# KiCad board 60rtho_2.kicad_pcb
title: PyKey60 RP2040; date: 2021-11-21; rev: 1.1; company: Pierre Constantineau (JPConstantineau); note: License: CERN-OHL-W (CERN OHL v2); note: Project: https://github.com/jpconstantineau/PyKey60
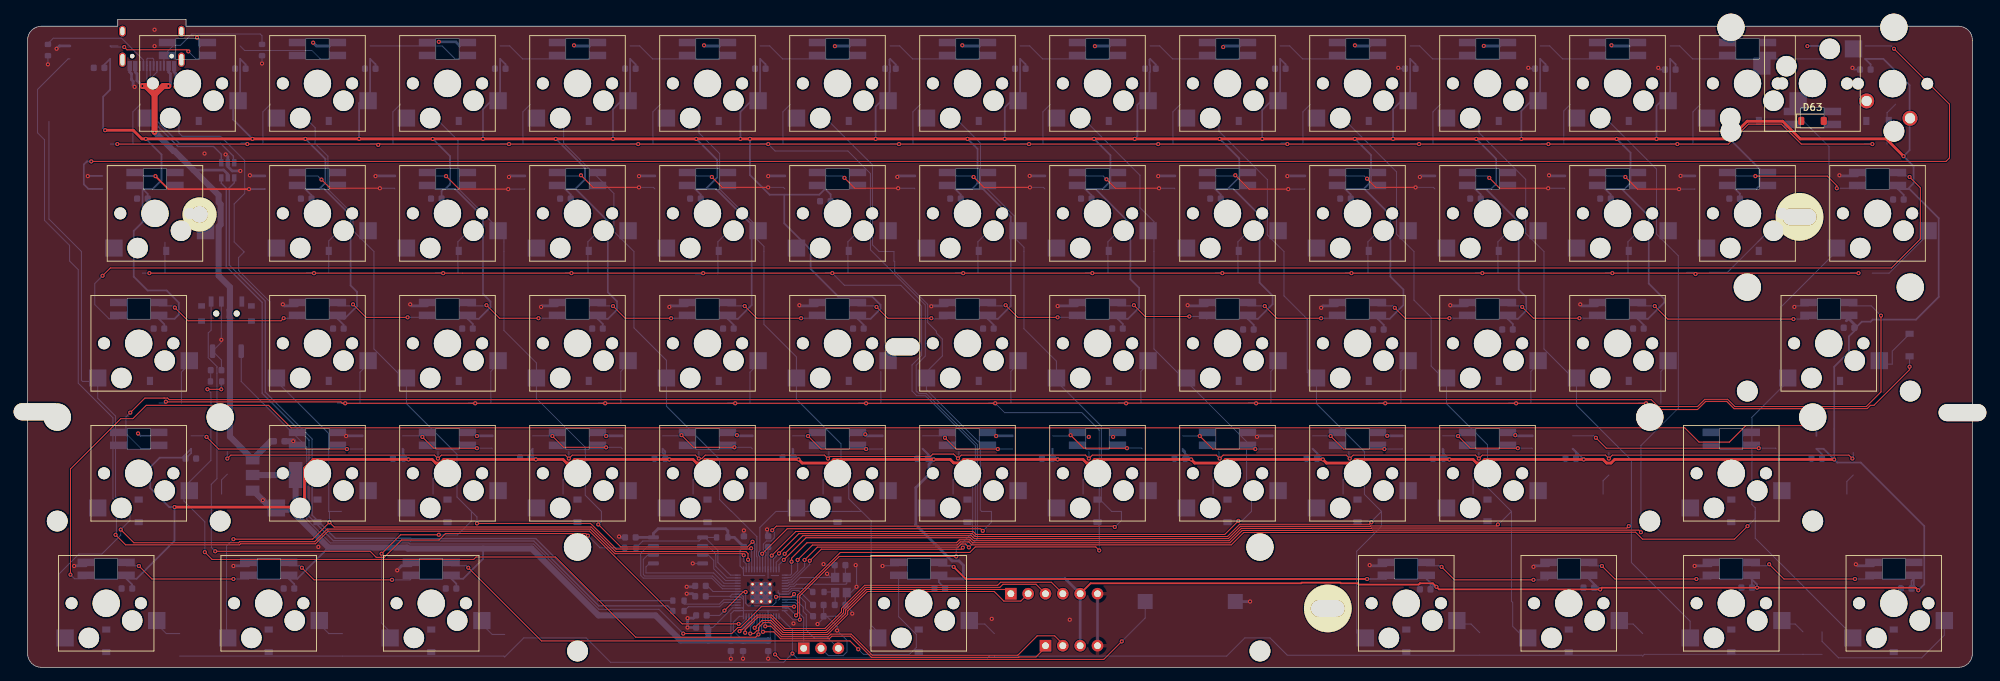
[diagram p0: board, top side]
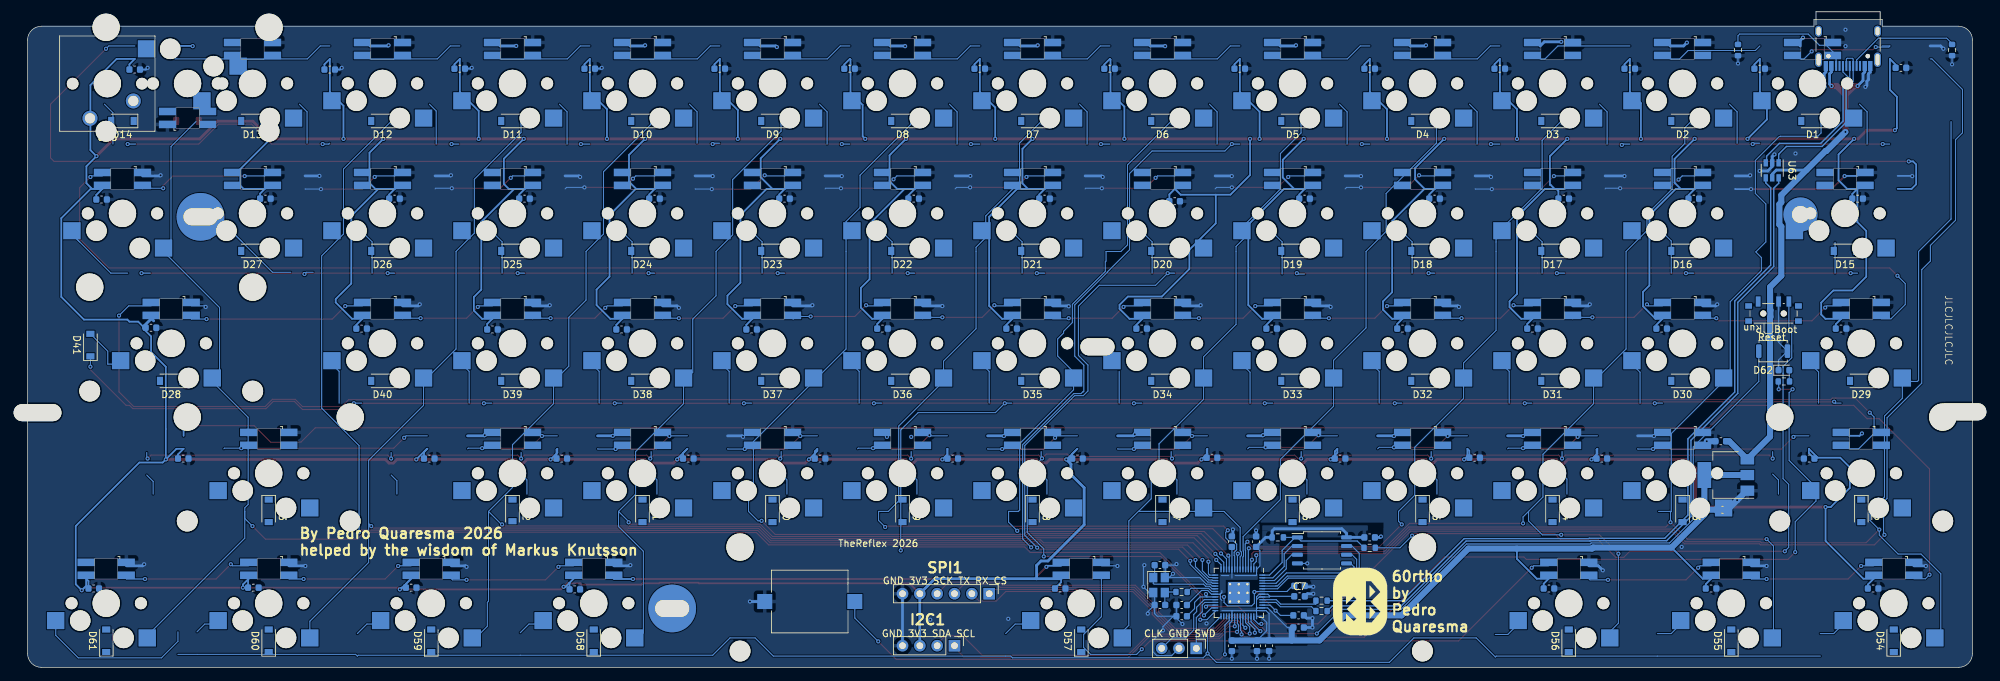
[diagram p1: board, bottom side, seen from below]

Outline 284.99 x 94.99 mm; copper layers: Front, Back. Coordinates in mm from the lower left corner of the outline.
Outline path: 0,91.95 0,2.03 arc(0.6,0.6) 2.03,0 282.96,0 arc(284.39,0.6) 284.99,2.03 284.99,91.95 arc(284.39,93.38) 282.96,93.98 23.22,93.98 23.22,94.99 13.22,94.99 13.22,93.98 2.03,93.98 arc(0.6,93.38) 0,91.95

## Placement (name value [footprint] x y rotation side)
C1  100n  [C_0603_1608Metric]  98.6 11.94 180 bottom
C2  100n  [C_0603_1608Metric]  115.87 7.49 0 bottom
C3  100n  [C_0603_1608Metric]  104.97 18.43 90 bottom
C4  100n  [C_0603_1608Metric]  103.06 3.17 270 bottom
C5  100n  [C_0603_1608Metric]  88.33 19.05 180 bottom
C6  100n  [C_0603_1608Metric]  104.84 3.16 270 bottom
C7  100n  [C_0603_1608Metric]  98.6 10.41 180 bottom
C8  100n  [C_0603_1608Metric]  108.52 18.43 90 bottom
C9  100n  [C_0603_1608Metric]  108.52 3.16 270 bottom
C10  1u  [C_0603_1608Metric]  98.74 7.62 180 bottom
C11  1u  [C_0603_1608Metric]  98.74 5.84 180 bottom
C12  22p  [C_0603_1608Metric]  119.06 14.98 180 bottom
C13  22p  [C_0603_1608Metric]  119.06 9.14 0 bottom
C14  100n  [C_0603_1608Metric]  115.87 9.14 0 bottom
C15  22u  [C_0603_1608Metric]  36.88 33.15 0 bottom
C16  22u  [C_0603_1608Metric]  36.64 23.11 180 bottom
C17  100n  [C_0603_1608Metric]  62.05 11.56 180 bottom
C18  100n  [C_0603_1608Metric]  64.47 49.66 180 bottom
C19  100n  [C_0603_1608Metric]  236.04 49.66 180 bottom
C20  100n  [C_0603_1608Metric]  14.55 11.56 180 bottom
C21  100n  [C_0603_1608Metric]  45.54 49.66 180 bottom
C22  100n  [C_0603_1608Metric]  226.12 30.61 180 bottom
C23  100n  [C_0603_1608Metric]  251.9 11.68 180 bottom
C24  100n  [C_0603_1608Metric]  23.93 30.61 0 bottom
C25  100n  [C_0603_1608Metric]  274.14 68.58 180 bottom
C26  100n  [C_0603_1608Metric]  40.83 68.71 180 bottom
C27  100n  [C_0603_1608Metric]  228.78 11.68 180 bottom
C28  100n  [C_0603_1608Metric]  204.8 11.43 180 bottom
C29  100n  [C_0603_1608Metric]  266.9 49.78 180 bottom
C30  100n  [C_0603_1608Metric]  54.31 30.61 180 bottom
C31  100n  [C_0603_1608Metric]  275.29 11.56 180 bottom
C32  100n  [C_0603_1608Metric]  38.3 11.56 180 bottom
C33  100n  [C_0603_1608Metric]  107.37 87.76 180 bottom
C34  100n  [C_0603_1608Metric]  206.71 30.61 180 bottom
C35  100n  [C_0603_1608Metric]  216.87 49.53 180 bottom
C36  100n  [C_0603_1608Metric]  262.18 30.61 180 bottom
C37  100n  [C_0603_1608Metric]  72.95 30.73 180 bottom
C38  100n  [C_0603_1608Metric]  250.14 68.71 180 bottom
C39  100n  [C_0603_1608Metric]  88.33 87.76 180 bottom
C40  100n  [C_0603_1608Metric]  19.25 49.66 180 bottom
C41  100n  [C_0603_1608Metric]  10.48 87.88 180 bottom
C42  100n  [C_0603_1608Metric]  133.68 11.56 180 bottom
C43  100n  [C_0603_1608Metric]  188.16 30.61 180 bottom
C44  100n  [C_0603_1608Metric]  231.22 68.71 180 bottom
C45  100n  [C_0603_1608Metric]  111.43 30.73 180 bottom
C46  100n  [C_0603_1608Metric]  59.89 68.71 180 bottom
C47  100n  [C_0603_1608Metric]  31.18 87.76 180 bottom
C48  100n  [C_0603_1608Metric]  92.66 30.61 180 bottom
C49  100n  [C_0603_1608Metric]  126.44 87.76 180 bottom
C50  100n  [C_0603_1608Metric]  168.86 30.61 180 bottom
C51  100n  [C_0603_1608Metric]  149.42 30.61 180 bottom
C52  100n  [C_0603_1608Metric]  212.17 68.71 180 bottom
C53  100n  [C_0603_1608Metric]  102.69 49.66 180 bottom
C54  100n  [C_0603_1608Metric]  78.82 68.71 180 bottom
C55  100n  [C_0603_1608Metric]  69.27 87.76 180 bottom
C56  100n  [C_0603_1608Metric]  131.14 30.61 180 bottom
C57  100n  [C_0603_1608Metric]  145.47 87.76 180 bottom
C58  100n  [C_0603_1608Metric]  197.94 49.53 180 bottom
C59  100n  [C_0603_1608Metric]  178.89 49.53 180 bottom
C60  100n  [C_0603_1608Metric]  116.9 68.32 180 bottom
C61  100n  [C_0603_1608Metric]  83.52 49.66 180 bottom
C62  100n  [C_0603_1608Metric]  50.22 87.76 180 bottom
C63  100n  [C_0603_1608Metric]  97.87 68.71 180 bottom
C64  100n  [C_0603_1608Metric]  240.72 87.63 180 bottom
C65  100n  [C_0603_1608Metric]  164.54 87.76 180 bottom
C66  100n  [C_0603_1608Metric]  159.72 49.66 180 bottom
C67  100n  [C_0603_1608Metric]  121.74 49.66 180 bottom
C68  100n  [C_0603_1608Metric]  135.97 68.71 180 bottom
C69  100n  [C_0603_1608Metric]  221.67 87.76 180 bottom
C70  100n  [C_0603_1608Metric]  155.14 68.71 180 bottom
C71  100n  [C_0603_1608Metric]  269.29 87.63 180 bottom
C72  100n  [C_0603_1608Metric]  183.57 87.76 180 bottom
C73  100n  [C_0603_1608Metric]  140.79 49.66 180 bottom
C74  100n  [C_0603_1608Metric]  202.62 87.76 180 bottom
C75  100n  [C_0603_1608Metric]  193.12 68.71 180 bottom
C76  100n  [C_0603_1608Metric]  174.07 68.71 180 bottom
C77  100n  [C_0603_1608Metric]  16.83 68.71 180 bottom
D1  D  [D_SOD-123#3]  23.43 80.09 0 bottom
D2  D  [D_SOD-123#3]  42.48 80.09 0 bottom
D3  D  [D_SOD-123#3]  61.53 80.09 0 bottom
D4  D  [D_SOD-123#3]  80.58 80.09 0 bottom
D5  D  [D_SOD-123#3]  99.63 80.09 0 bottom
D6  D  [D_SOD-123#3]  118.68 80.09 0 bottom
D7  D  [D_SOD-123#3]  137.73 80.09 0 bottom
D8  D  [D_SOD-123#3]  156.78 80.09 0 bottom
D9  D  [D_SOD-123#3]  175.83 80.09 0 bottom
D10  D  [D_SOD-123#3]  194.88 80.09 0 bottom
D11  D  [D_SOD-123#3]  213.93 80.09 0 bottom
D12  D  [D_SOD-123#3]  232.98 80.09 0 bottom
D13  D  [D_SOD-123#3]  252.03 80.09 0 bottom
D14  D  [D_SOD-123#3]  271.08 80.09 0 bottom
D15  D  [D_SOD-123#3]  18.67 61.04 0 bottom
D16  D  [D_SOD-123#3]  42.48 61.04 0 bottom
D17  D  [D_SOD-123#3]  61.53 61.04 0 bottom
D18  D  [D_SOD-123#3]  80.58 61.04 0 bottom
D19  D  [D_SOD-123#3]  99.63 61.04 0 bottom
D20  D  [D_SOD-123#3]  118.68 61.04 0 bottom
D21  D  [D_SOD-123#3]  137.73 61.04 0 bottom
D22  D  [D_SOD-123#3]  156.78 61.04 0 bottom
D23  D  [D_SOD-123#3]  175.83 61.04 0 bottom
D24  D  [D_SOD-123#3]  194.88 61.04 0 bottom
D25  D  [D_SOD-123#3]  213.93 61.04 0 bottom
D26  D  [D_SOD-123#3]  232.98 61.04 0 bottom
D27  D  [D_SOD-123#3]  252.03 61.04 0 bottom
D28  D  [D_SOD-123#3]  263.94 41.99 0 bottom
D29  D  [D_SOD-123#3]  16.29 41.99 0 bottom
D30  D  [D_SOD-123#3]  42.48 41.99 0 bottom
D31  D  [D_SOD-123#3]  61.53 41.99 0 bottom
D32  D  [D_SOD-123#3]  80.58 41.99 0 bottom
D33  D  [D_SOD-123#3]  99.63 41.99 0 bottom
D34  D  [D_SOD-123#3]  118.68 41.99 0 bottom
D35  D  [D_SOD-123#3]  137.73 41.99 0 bottom
D36  D  [D_SOD-123#3]  156.78 41.99 0 bottom
D37  D  [D_SOD-123#3]  175.83 41.99 0 bottom
D38  D  [D_SOD-123#3]  194.88 41.99 0 bottom
D39  D  [D_SOD-123#3]  213.93 41.99 0 bottom
D40  D  [D_SOD-123#3]  232.98 41.99 0 bottom
D41  D  [D_SOD-123#3]  275.78 47.24 90 bottom
D42  D  [D_SOD-123#3]  16.29 22.94 270 bottom
D43  D  [D_SOD-123#3]  42.48 22.94 270 bottom
D44  D  [D_SOD-123#3]  61.53 22.94 270 bottom
D45  D  [D_SOD-123#3]  80.58 22.94 270 bottom
D46  D  [D_SOD-123#3]  99.63 22.94 270 bottom
D47  D  [D_SOD-123#3]  118.68 22.94 270 bottom
D48  D  [D_SOD-123#3]  137.73 22.94 270 bottom
D49  D  [D_SOD-123#3]  156.78 22.94 270 bottom
D50  D  [D_SOD-123#3]  175.83 22.94 270 bottom
D51  D  [D_SOD-123#3]  194.88 22.94 270 bottom
D52  D  [D_SOD-123#2]  213.93 22.94 270 bottom
D53  D  [D_SOD-123#3]  249.65 22.94 270 bottom
D54  D  [D_SOD-123#3]  11.53 3.89 90 bottom
D55  D  [D_SOD-123#3]  35.34 3.89 90 bottom
D56  D  [D_SOD-123#3]  59.15 3.89 90 bottom
D57  D  [D_SOD-123#3]  130.59 3.89 90 bottom
D58  D  [D_SOD-123#3]  202.03 3.89 90 bottom
D59  D  [D_SOD-123#3]  225.84 3.89 90 bottom
D60  D  [D_SOD-123#3]  249.65 3.89 90 bottom
D61  D  [D_SOD-123#3]  273.46 3.89 90 bottom
D62  RED  [LED_0603_1608Metric]  27.62 43.56 180 bottom
D63  -  [D_SOD-123]  261.56 80.1 0 top
H1  MountingHole  [PKRHC]  24.83 66.04 0 top
H2  MountingHole  [PKRH]  259.65 66.04 0 top
H3  MountingHole  [PKRHSL]  1.46 37.46 0 top
H4  MountingHole  [PKRH#2]  188.53 8.63 0 top
H5  MountingHole  [PKRHSL]  283.53 37.34 0 top
H6  MountingHole  [PKRH#3]  128.21 46.99 0 top
H7  MountingHole  [KB_BlueMicro]  89.73 9.65 180 bottom
J1  USB_C_Receptacle_USB2.0  [USB_C_Receptacle_HRO_TYPE-C-31-M-12]  18.22 92.2 0 bottom
J2  Conn_01x03  [PinHeader_1x03_P2.54mm_Vertical]  113.73 2.79 270 bottom
J3  Conn_01x04  [PinHeader_1x04_P2.54mm_Vertical]  149.16 3.17 270 bottom
J4  Conn_01x06  [PinHeader_1x06_P2.54mm_Vertical]  144.08 10.79 270 bottom
LS1  Speaker  [Buzzer_Mallory_AST1109MLTRQ]  170.37 9.65 0 bottom
R1  5.1k  [R_0603_1608Metric]  2.98 90.49 90 bottom
R2  5.1k  [R_0603_1608Metric]  34.35 90.49 90 bottom
R3  22  [R_0603_1608Metric]  95.38 9.78 0 bottom
R4  22  [R_0603_1608Metric]  95.38 8.25 0 bottom
R5  1k  [R_0603_1608Metric]  115.89 11.05 0 bottom
R6  DNP  [R_0603_1608Metric]  101.79 19.05 0 bottom
R7  1k  [R_0603_1608Metric]  88.33 17.52 180 bottom
R8  1k  [R_0603_1608Metric]  27.62 41.91 0 bottom
SW1  SW_SPST  [SW_Push_SPST_NO_Alps_SKRK]  29.21 46.35 0 bottom
SW2  SW_SPDT  [SW_SPDT_PCM12]  29.15 52.2 180 bottom
U1  CherryMX_LTST-A683CEGBW  [CherryMX_1.00u_PCB_KailhSocket_LTST-A683CEGBW-Rotated-HS]  23.43 85.59 180 top
U2  CherryMX_LTST-A683CEGBW  [CherryMX_1.00u_PCB_KailhSocket_LTST-A683CEGBW-Rotated-HS]  42.48 85.59 180 top
U3  CherryMX_LTST-A683CEGBW  [CherryMX_1.00u_PCB_KailhSocket_LTST-A683CEGBW-Rotated-HS]  61.53 85.59 180 top
U4  CherryMX_LTST-A683CEGBW  [CherryMX_1.00u_PCB_KailhSocket_LTST-A683CEGBW-Rotated-HS]  80.58 85.59 180 top
U5  CherryMX_LTST-A683CEGBW  [CherryMX_1.00u_PCB_KailhSocket_LTST-A683CEGBW-Rotated-HS]  99.63 85.59 180 top
U6  CherryMX_LTST-A683CEGBW  [CherryMX_1.00u_PCB_KailhSocket_LTST-A683CEGBW-Rotated-HS]  118.68 85.59 180 top
U7  CherryMX_LTST-A683CEGBW  [CherryMX_1.00u_PCB_KailhSocket_LTST-A683CEGBW-Rotated-HS]  137.73 85.59 180 top
U8  CherryMX_LTST-A683CEGBW  [CherryMX_1.00u_PCB_KailhSocket_LTST-A683CEGBW-Rotated-HS]  156.78 85.59 180 top
U9  CherryMX_LTST-A683CEGBW  [CherryMX_1.00u_PCB_KailhSocket_LTST-A683CEGBW-Rotated-HS]  175.83 85.59 180 top
U10  CherryMX_LTST-A683CEGBW  [CherryMX_1.00u_PCB_KailhSocket_LTST-A683CEGBW-Rotated-HS]  194.88 85.59 180 top
U11  CherryMX_LTST-A683CEGBW  [CherryMX_1.00u_PCB_KailhSocket_LTST-A683CEGBW-Rotated-HS]  213.93 85.59 180 top
U12  CherryMX_LTST-A683CEGBW  [CherryMX_1.00u_PCB_KailhSocket_LTST-A683CEGBW-Rotated-HS]  232.98 85.59 180 top
U13  CherryMX_LTST-A683CEGBW  [CherryMX_1.00u_PCB_KailhSocket_LTST-A683CEGBW-Rotated-HS]  252.03 85.59 180 top
U14  CherryMX_LTST-A683CEGBW  [CherryMX_2.00u_PCB_KailhSocket_StabWireTop_LTST-A683CEGBW-Rotated-HS]  261.54 85.58 0 top
U15  CherryMX_LTST-A683CEGBW  [CherryMX_1.50u_PCB_KailhSocket_LTST-A683CEGBW-Rotated-HS]  18.67 66.54 180 top
U16  CherryMX_LTST-A683CEGBW  [CherryMX_1.00u_PCB_KailhSocket_LTST-A683CEGBW-Rotated-HS]  42.48 66.54 180 top
U17  CherryMX_LTST-A683CEGBW  [CherryMX_1.00u_PCB_KailhSocket_LTST-A683CEGBW-Rotated-HS]  61.53 66.54 180 top
U18  CherryMX_LTST-A683CEGBW  [CherryMX_1.00u_PCB_KailhSocket_LTST-A683CEGBW-Rotated-HS]  80.58 66.54 180 top
U19  CherryMX_LTST-A683CEGBW  [CherryMX_1.00u_PCB_KailhSocket_LTST-A683CEGBW-Rotated-HS]  99.63 66.54 180 top
U20  CherryMX_LTST-A683CEGBW  [CherryMX_1.00u_PCB_KailhSocket_LTST-A683CEGBW-Rotated-HS]  118.68 66.54 180 top
U21  CherryMX_LTST-A683CEGBW  [CherryMX_1.00u_PCB_KailhSocket_LTST-A683CEGBW-Rotated-HS]  137.73 66.54 180 top
U22  CherryMX_LTST-A683CEGBW  [CherryMX_1.00u_PCB_KailhSocket_LTST-A683CEGBW-Rotated-HS]  156.78 66.54 180 top
U23  CherryMX_LTST-A683CEGBW  [CherryMX_1.00u_PCB_KailhSocket_LTST-A683CEGBW-Rotated-HS]  175.83 66.54 180 top
U24  CherryMX_LTST-A683CEGBW  [CherryMX_1.00u_PCB_KailhSocket_LTST-A683CEGBW-Rotated-HS]  194.88 66.54 180 top
U25  CherryMX_LTST-A683CEGBW  [CherryMX_1.00u_PCB_KailhSocket_LTST-A683CEGBW-Rotated-HS]  213.93 66.54 180 top
U26  CherryMX_LTST-A683CEGBW  [CherryMX_1.00u_PCB_KailhSocket_LTST-A683CEGBW-Rotated-HS]  232.98 66.54 180 top
U27  CherryMX_LTST-A683CEGBW  [CherryMX_1.00u_PCB_KailhSocket_LTST-A683CEGBW-Rotated-HS]  252.03 66.54 180 top
U28  CherryMX_LTST-A683CEGBW  [CherryMX_1.50u_PCB_KailhSocket_LTST-A683CEGBW-Rotated-HS]  271.08 66.54 180 top
U29  CherryMX_LTST-A683CEGBW  [CherryMX_1.75u_PCB_KailhSocket_LTST-A683CEGBW-Rotated-HS]  16.29 47.49 180 top
U30  CherryMX_LTST-A683CEGBW  [CherryMX_1.00u_PCB_KailhSocket_LTST-A683CEGBW-Rotated-HS]  42.48 47.49 180 top
U31  CherryMX_LTST-A683CEGBW  [CherryMX_1.00u_PCB_KailhSocket_LTST-A683CEGBW-Rotated-HS]  61.53 47.49 180 top
U32  CherryMX_LTST-A683CEGBW  [CherryMX_1.00u_PCB_KailhSocket_LTST-A683CEGBW-Rotated-HS]  80.58 47.49 180 top
U33  CherryMX_LTST-A683CEGBW  [CherryMX_1.00u_PCB_KailhSocket_LTST-A683CEGBW-Rotated-HS]  99.63 47.49 180 top
U34  CherryMX_LTST-A683CEGBW  [CherryMX_1.00u_PCB_KailhSocket_LTST-A683CEGBW-Rotated-HS]  118.68 47.49 180 top
U35  CherryMX_LTST-A683CEGBW  [CherryMX_1.00u_PCB_KailhSocket_LTST-A683CEGBW-Rotated-HS]  137.73 47.49 180 top
U36  CherryMX_LTST-A683CEGBW  [CherryMX_1.00u_PCB_KailhSocket_LTST-A683CEGBW-Rotated-HS]  156.78 47.49 180 top
U37  CherryMX_LTST-A683CEGBW  [CherryMX_1.00u_PCB_KailhSocket_LTST-A683CEGBW-Rotated-HS]  175.83 47.49 180 top
U38  CherryMX_LTST-A683CEGBW  [CherryMX_1.00u_PCB_KailhSocket_LTST-A683CEGBW-Rotated-HS]  194.88 47.49 180 top
U39  CherryMX_LTST-A683CEGBW  [CherryMX_1.00u_PCB_KailhSocket_LTST-A683CEGBW-Rotated-HS]  213.93 47.49 180 top
U40  CherryMX_LTST-A683CEGBW  [CherryMX_1.00u_PCB_KailhSocket_LTST-A683CEGBW-Rotated-HS]  232.98 47.49 180 top
U41  CherryMX_LTST-A683CEGBW  [CherryMX_2.25u_PCB_KailhSocket_StabWireBottom_LTST-A683CEGBW-Rotated-HS]  263.94 47.49 180 top
U42  CherryMX_LTST-A683CEGBW  [CherryMX_2.25u_PCB_KailhSocket_StabWireBottom_LTST-A683CEGBW-Rotated-HS]  16.29 28.44 180 top
U43  CherryMX_LTST-A683CEGBW  [CherryMX_1.00u_PCB_KailhSocket_LTST-A683CEGBW-Rotated-HS]  42.48 28.44 180 top
U44  CherryMX_LTST-A683CEGBW  [CherryMX_1.00u_PCB_KailhSocket_LTST-A683CEGBW-Rotated-HS]  61.53 28.44 180 top
U45  CherryMX_LTST-A683CEGBW  [CherryMX_1.00u_PCB_KailhSocket_LTST-A683CEGBW-Rotated-HS]  80.58 28.44 180 top
U46  CherryMX_LTST-A683CEGBW  [CherryMX_1.00u_PCB_KailhSocket_LTST-A683CEGBW-Rotated-HS]  99.63 28.44 180 top
U47  CherryMX_LTST-A683CEGBW  [CherryMX_1.00u_PCB_KailhSocket_LTST-A683CEGBW-Rotated-HS]  118.68 28.44 180 top
U48  CherryMX_LTST-A683CEGBW  [CherryMX_1.00u_PCB_KailhSocket_LTST-A683CEGBW-Rotated-HS]  137.73 28.44 180 top
U49  CherryMX_LTST-A683CEGBW  [CherryMX_1.00u_PCB_KailhSocket_LTST-A683CEGBW-Rotated-HS]  156.78 28.44 180 top
U50  CherryMX_LTST-A683CEGBW  [CherryMX_1.00u_PCB_KailhSocket_LTST-A683CEGBW-Rotated-HS]  175.83 28.44 180 top
U51  CherryMX_LTST-A683CEGBW  [CherryMX_1.00u_PCB_KailhSocket_LTST-A683CEGBW-Rotated-HS]  194.88 28.44 180 top
U52  CherryMX_LTST-A683CEGBW  [CherryMX_1.00u_PCB_KailhSocket_LTST-A683CEGBW-Rotated-HS]  213.93 28.44 180 top
U53  CherryMX_LTST-A683CEGBW  [CherryMX_2.75u_PCB_KailhSocket_StabWireBottom_LTST-A683CEGBW-Rotated-HS]  249.65 28.44 180 top
U54  CherryMX_LTST-A683CEGBW  [CherryMX_1.25u_PCB_KailhSocket_LTST-A683CEGBW-Rotated-HS]  11.53 9.39 180 top
U55  CherryMX_LTST-A683CEGBW  [CherryMX_1.25u_PCB_KailhSocket_LTST-A683CEGBW-Rotated-HS]  35.34 9.39 180 top
U56  CherryMX_LTST-A683CEGBW  [CherryMX_1.25u_PCB_KailhSocket_LTST-A683CEGBW-Rotated-HS]  59.15 9.39 180 top
U57  CherryMX_LTST-A683CEGBW  [CherryMX_6.25u_PCB_KailhSocket_StabWireBottom_LTST-A683CEGBW-Rotated-HS]  130.59 9.39 180 top
U58  CherryMX_LTST-A683CEGBW  [CherryMX_1.25u_PCB_KailhSocket_LTST-A683CEGBW-Rotated-HS]  202.03 9.39 180 top
U59  CherryMX_LTST-A683CEGBW  [CherryMX_1.25u_PCB_KailhSocket_LTST-A683CEGBW-Rotated-HS]  225.84 9.39 180 top
U60  CherryMX_LTST-A683CEGBW  [CherryMX_1.25u_PCB_KailhSocket_LTST-A683CEGBW-Rotated-HS]  249.65 9.39 180 top
U61  CherryMX_LTST-A683CEGBW  [CherryMX_1.25u_PCB_KailhSocket_LTST-A683CEGBW-Rotated-HS]  273.46 9.39 180 top
U62  RP2040  [RP2040-QFN-56]  107.51 10.92 270 bottom
U63  USBLC6-2SC6  [SOT-23-6]  29.34 72.85 270 bottom
U64  W25Q128JVS  [SOIC-8_5.23x5.23mm_P1.27mm]  95.31 17.14 180 bottom
U65  AMS1117-3.3  [SOT-223-3_TabPin2]  36.13 28.19 0 bottom
U66  Bksp2u  [SW_Cherry_MX_1.00u_PCB]  275.84 80.48 0 bottom
Y1  12MHz  [Crystal_SMD_3225-4Pin_3.2x2.5mm]  119.19 12.06 270 bottom

## Footprints (pads in the part's own frame, mm; a bottom-side part is the same pattern mirrored in y, then rotated)
Buzzer_Mallory_AST1109MLTRQ
  rect 2.2x2.2 smd: 1(-6.6,0) 2(6.6,0)
C_0603_1608Metric
  rrect 0.9x0.95 smd: 1(-0.775,0) 2(0.775,0)
CherryMX_1.00u_PCB_KailhSocket_LTST-A683CEGBW-Rotated-HS
  round 1.75 hole 1.75 unplated: (-5.08,0) (5.08,0)
  round 3 hole 3 unplated: (-3.81,2.54) (2.54,5.08)
  round 4 hole 4 unplated: (0,0)
  rect 2.55x2.5 smd far side: 1(-7.41,2.54) 2(6.015,5.08)
  rect 2.5x1.1 smd far side: 3(2.95,-6) 4(2.95,-4.1) 5(-2.95,-6) 6(-2.95,-4.1)
CherryMX_1.25u_PCB_KailhSocket_LTST-A683CEGBW-Rotated-HS
  round 1.75 hole 1.75 unplated: (-5.08,0) (5.08,0)
  round 3 hole 3 unplated: (-3.81,2.54) (2.54,5.08)
  round 4 hole 4 unplated: (0,0)
  rect 2.55x2.5 smd far side: 1(-7.41,2.54) 2(6.015,5.08)
  rect 2.5x1.1 smd far side: 3(2.95,-6) 4(2.95,-4.1) 5(-2.95,-6) 6(-2.95,-4.1)
CherryMX_1.50u_PCB_KailhSocket_LTST-A683CEGBW-Rotated-HS
  round 1.75 hole 1.75 unplated: (-5.08,0) (5.08,0)
  round 3 hole 3 unplated: (-3.81,2.54) (2.54,5.08)
  round 4 hole 4 unplated: (0,0)
  rect 2.55x2.5 smd far side: 1(-7.41,2.54) 2(6.015,5.08)
  rect 2.5x1.1 smd far side: 3(2.95,-6) 4(2.95,-4.1) 5(-2.95,-6) 6(-2.95,-4.1)
CherryMX_1.75u_PCB_KailhSocket_LTST-A683CEGBW-Rotated-HS
  round 1.75 hole 1.75 unplated: (-5.08,0) (5.08,0)
  round 3 hole 3 unplated: (-3.81,2.54) (2.54,5.08)
  round 4 hole 4 unplated: (0,0)
  rect 2.55x2.5 smd far side: 1(-7.41,2.54) 2(6.015,5.08)
  rect 2.5x1.1 smd far side: 3(2.95,-6) 4(2.95,-4.1) 5(-2.95,-6) 6(-2.95,-4.1)
CherryMX_2.00u_PCB_KailhSocket_StabWireTop_LTST-A683CEGBW-Rotated-HS
  round 4 hole 4 unplated: (-11.938,8.24) (0,0) (11.938,8.24)
  round 3.05 hole 3.05 unplated: (-11.938,-7) (11.938,-7)
  round 1.75 hole 1.75 unplated: (-5.08,0) (5.08,0)
  round 3 hole 3 unplated: (-3.81,2.54) (2.54,5.08)
  rect 2.55x2.5 smd far side: 1(-7.41,2.54) 2(6.015,5.08)
  rect 2.5x1.1 smd far side: 3(2.95,-6) 4(2.95,-4.1) 5(-2.95,-6) 6(-2.95,-4.1)
CherryMX_2.25u_PCB_KailhSocket_StabWireBottom_LTST-A683CEGBW-Rotated-HS
  round 3.05 hole 3.05 unplated: (-11.938,7) (11.938,7)
  round 4 hole 4 unplated: (-11.938,-8.24) (0,0) (11.938,-8.24)
  round 1.75 hole 1.75 unplated: (-5.08,0) (5.08,0)
  round 3 hole 3 unplated: (-3.81,2.54) (2.54,5.08)
  rect 2.55x2.5 smd far side: 1(-7.41,2.54) 2(6.015,5.08)
  rect 2.5x1.1 smd far side: 3(2.95,-6) 4(2.95,-4.1) 5(-2.95,-6) 6(-2.95,-4.1)
CherryMX_2.75u_PCB_KailhSocket_StabWireBottom_LTST-A683CEGBW-Rotated-HS
  round 3.05 hole 3.05 unplated: (-11.938,7) (11.938,7)
  round 4 hole 4 unplated: (-11.938,-8.24) (0,0) (11.938,-8.24)
  round 1.75 hole 1.75 unplated: (-5.08,0) (5.08,0)
  round 3 hole 3 unplated: (-3.81,2.54) (2.54,5.08)
  rect 2.55x2.5 smd far side: 1(-7.41,2.54) 2(6.015,5.08)
  rect 2.5x1.1 smd far side: 3(2.95,-6) 4(2.95,-4.1) 5(-2.95,-6) 6(-2.95,-4.1)
CherryMX_6.25u_PCB_KailhSocket_StabWireBottom_LTST-A683CEGBW-Rotated-HS
  round 3.05 hole 3.05 unplated: (-50,7) (50,7)
  round 4 hole 4 unplated: (-50,-8.24) (0,0) (50,-8.24)
  round 1.75 hole 1.75 unplated: (-5.08,0) (5.08,0)
  round 3 hole 3 unplated: (-3.81,2.54) (2.54,5.08)
  rect 2.55x2.5 smd far side: 1(-7.41,2.54) 2(6.015,5.08)
  rect 2.5x1.1 smd far side: 3(2.95,-6) 4(2.95,-4.1) 5(-2.95,-6) 6(-2.95,-4.1)
Crystal_SMD_3225-4Pin_3.2x2.5mm
  rect 1.4x1.2 smd: 1(-1.1,-0.85) 2(1.1,-0.85) 3(1.1,0.85) 4(-1.1,0.85)
D_SOD-123
  rrect 0.9x1.2 smd: 1(-1.65,0) 2(1.65,0)
D_SOD-123#3
  rect 0.9x1.2 smd: 1(-1.65,0) 2(1.65,0)
D_SOD-123#2
  rect 0.9x1.2 smd: 1(-1.65,0) 2(1.522,0)
LED_0603_1608Metric
  rrect 0.875x0.95 smd: 1(-0.787,0) 2(0.787,0)
PinHeader_1x03_P2.54mm_Vertical
  rect 1.7x1.7 hole 1: 1(0,0)
  oval 1.7x1.7 hole 1: 2(0,-2.54) 3(0,-5.08)
PinHeader_1x04_P2.54mm_Vertical
  rect 1.7x1.7 hole 1: 1(0,0)
  oval 1.7x1.7 hole 1: 2(0,-2.54) 3(0,-5.08) 4(0,-7.62)
PinHeader_1x06_P2.54mm_Vertical
  rect 1.7x1.7 hole 1: 1(0,0)
  oval 1.7x1.7 hole 1: 2(0,-2.54) 3(0,-5.08) 4(0,-7.62) 5(0,-10.16) 6(0,-12.7)
PKRH
  round 7 hole 5.001x2.499: 1(0,0)
PKRH#2
  round 7 hole 5.001x2.499: 1(2,0)
PKRH#3
  oval 5x2.5 hole 5x2.5 unplated: (0,0)
PKRHC
  round 5.001 hole 2.499: 1(0.367,0.349)
PKRHSL
  oval 7x2.499 hole 7x2.499 unplated: (0,0)
R_0603_1608Metric
  rrect 0.8x0.95 smd: 1(-0.825,0) 2(0.825,0)
RP2040-QFN-56
  rrect 1.084x1.084 smd: (-0.637,-0.637) (-0.637,0.637) (0.637,-0.637) (0.637,0.637)
  rrect 0.875x0.2 smd: 1(-3.438,2.6) 2(-3.438,2.2) 3(-3.438,1.8) 4(-3.438,1.4) 5(-3.438,1) 6(-3.438,0.6) 7(-3.438,0.2) 8(-3.438,-0.2) 9(-3.438,-0.6) 10(-3.438,-1) 11(-3.438,-1.4) 12(-3.438,-1.8) 13(-3.438,-2.2) 14(-3.438,-2.6) 29(3.438,-2.6) 30(3.438,-2.2) 31(3.438,-1.8) 32(3.438,-1.4) 33(3.438,-1) 34(3.438,-0.6) 35(3.438,-0.2) 36(3.438,0.2) 37(3.438,0.6) 38(3.438,1) 39(3.438,1.4) 40(3.438,1.8) 41(3.438,2.2) 42(3.438,2.6)
  rrect 0.2x0.875 smd: 15(-2.6,-3.438) 16(-2.2,-3.438) 17(-1.8,-3.438) 18(-1.4,-3.438) 19(-1,-3.438) 20(-0.6,-3.438) 21(-0.2,-3.438) 22(0.2,-3.438) 23(0.6,-3.438) 24(1,-3.438) 25(1.4,-3.438) 26(1.8,-3.438) 27(2.2,-3.438) 28(2.6,-3.438) 43(2.6,3.438) 44(2.2,3.438) 45(1.8,3.438) 46(1.4,3.438) 47(1,3.438) 48(0.6,3.438) 49(0.2,3.438) 50(-0.2,3.438) 51(-0.6,3.438) 52(-1,3.438) 53(-1.4,3.438) 54(-1.8,3.438) 55(-2.2,3.438) 56(-2.6,3.438)
  round 0.6 hole 0.35: 57(-1.275,-1.275) 57(-1.275,0) 57(-1.275,1.275) 57(0,-1.275) 57(0,0) 57(0,1.275) 57(1.275,-1.275) 57(1.275,0) 57(1.275,1.275)
  rrect 3.2x3.2 smd: 57(0,0)
SOIC-8_5.23x5.23mm_P1.27mm
  rrect 1.6x0.6 smd: 1(-3.6,1.905) 2(-3.6,0.635) 3(-3.6,-0.635) 4(-3.6,-1.905) 5(3.6,-1.905) 6(3.6,-0.635) 7(3.6,0.635) 8(3.6,1.905)
SOT-23-6
  rect 1.06x0.65 smd: 1(-1.1,0.95) 2(-1.1,0) 3(-1.1,-0.95) 4(1.1,-0.95) 5(1.1,0) 6(1.1,0.95)
SOT-223-3_TabPin2
  rect 2x1.5 smd: 1(-3.15,2.3) 2(-3.15,0) 3(-3.15,-2.3)
  rect 2x3.8 smd: 2(3.15,0)
SW_Cherry_MX_1.00u_PCB
  round 1.7 hole 1.7 unplated: (-7.62,-5.08) (2.54,-5.08)
  round 4 hole 4 unplated: (-2.54,-5.08)
  round 2.2 hole 1.5: 1(0,0) 2(-6.35,-2.54)
SW_Push_SPST_NO_Alps_SKRK
  rrect 0.8x2 smd: 1(-2.1,0) 2(2.1,0)
SW_SPDT_PCM12
  rect 1x0.8 smd: (-3.65,-1.43) (-3.65,0.78) (3.65,-1.43) (3.65,0.78)
  round 0.9 hole 0.9 unplated: (-1.5,-0.33) (1.5,-0.33)
  rect 0.7x1.5 smd: 1(-2.25,1.43) 2(0.75,1.43) 3(2.25,1.43)
USB_C_Receptacle_HRO_TYPE-C-31-M-12
  round 0.65 hole 0.65 unplated: (-2.89,2.6) (2.89,2.6)
  rect 0.6x1.45 smd: A1(-3.25,4.045) A4(-2.45,4.045) A9(2.45,4.045) A12(3.25,4.045) B1(3.25,4.045) B4(2.45,4.045) B9(-2.45,4.045) B12(-3.25,4.045)
  rect 0.3x1.45 smd: A5(-1.25,4.045) A6(-0.25,4.045) A7(0.25,4.045) A8(1.25,4.045) B5(1.75,4.045) B6(0.75,4.045) B7(-0.75,4.045) B8(-1.75,4.045)
  oval 1x1.6 hole 0.6x1.2: S1(-4.32,-1.05) S1(4.32,-1.05)